# Altium PCB Battman.PcbDoc (part 3 of 5)
Units mm, origin at the board's own origin, x right, y up, seen from the top; angles counter-clockwise.
Board outline 110 x 68 mm, 6 copper layers (Top Layer, Mid Layer 1, Mid Layer 2, Mid Layer 3, Mid Layer 4, Bottom Layer), stack 1.235 mm thick; 358 components, 241 nets, 1126 pads, 1797 vias.
Unrouted connection lines stored in the file: 2.
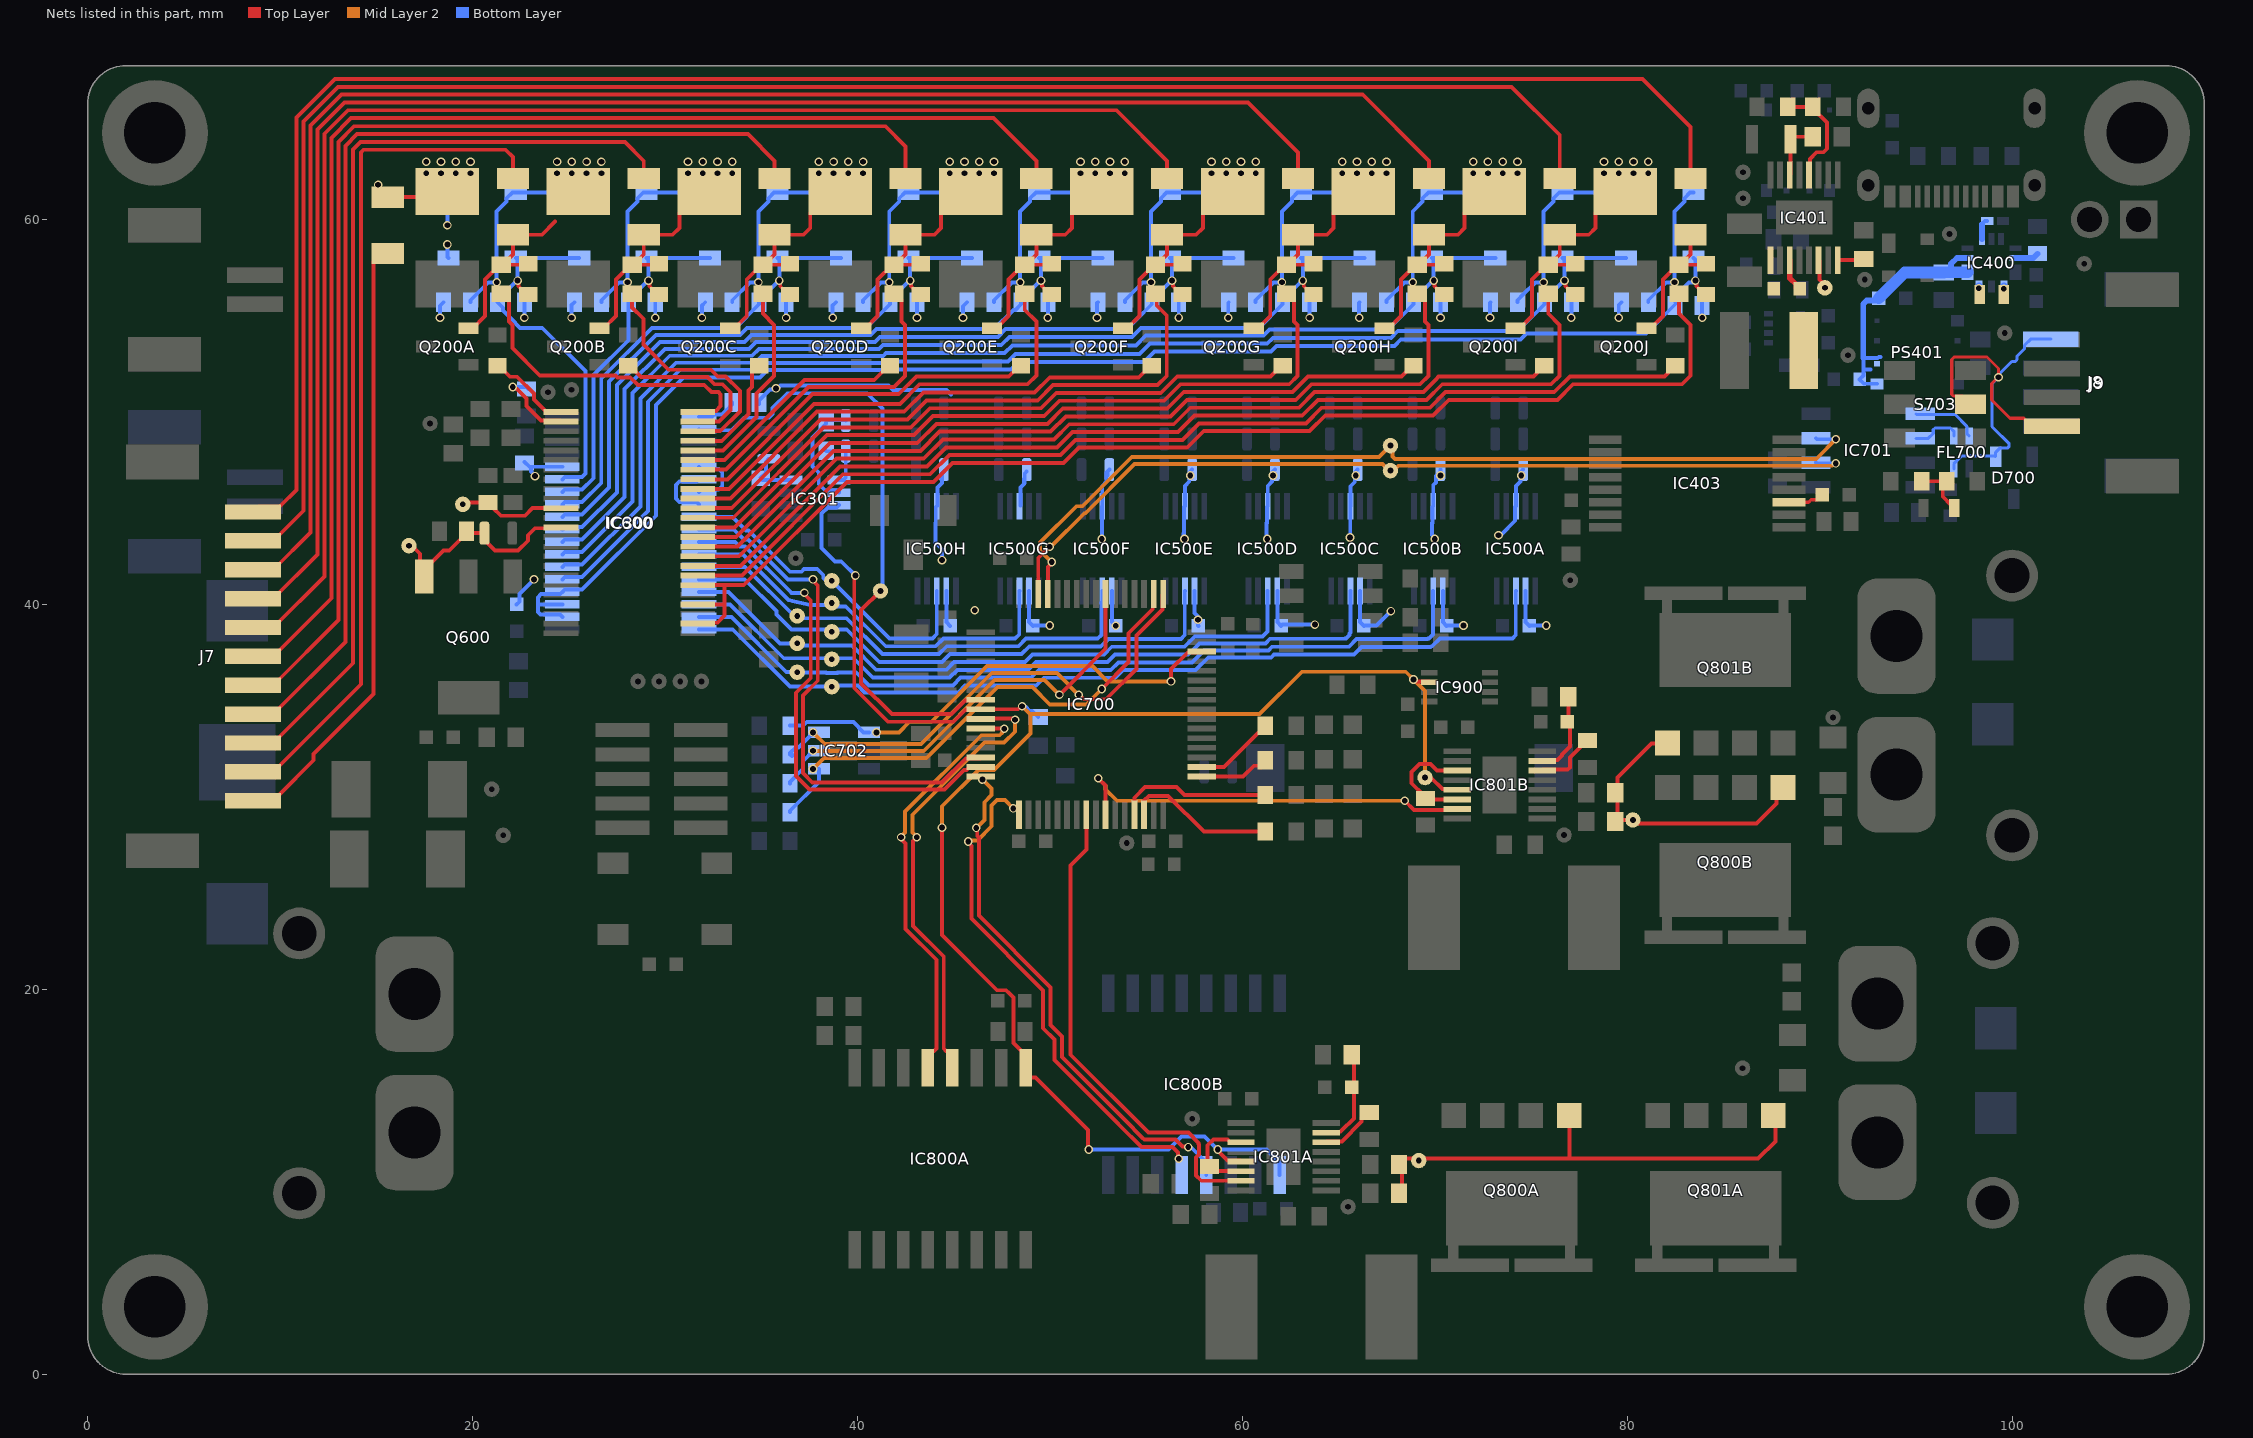
[diagram p7: the nets of this part, all layers, seen from the top]

## Via types
v1: diameter 0.45, hole 0.3, Top Layer to Bottom Layer, tented both sides, 1593 vias
v2: diameter 0.6, hole 0.3, Top Layer to Bottom Layer, tented both sides, 204 vias

## Nets (pads, with @x,y where several pads share a name; then routed paths per layer and width w, separated by ;. In a path a pad name is that pad's centre, name@x,y a point inside that pad or via, vN(x,y) a via of type N, cw(c..) or ccw(c..) an arc to the next point about the centre after c; other vN are vias at no path point) (continued)
CAN_P: D700.1 FL700.4 J8.1 J9.1 S703.5 | length 22.2
  Top Layer w0.16: S703.5@97.43,50.82 96.964,50.82 96.87,50.914 96.87,52.725 97,52.855 98.7,52.855 99.3,52.255 99.3,51.817 v1(99.3,51.8) ; v1@99.283,51.817 98.946,51.48 98.946,50.62 99.897,49.67 100.611,49.67 100.705,49.576 100.705,49.57 101.025,49.25 J9.1@102.075,49.25
  Bottom Layer w0.16: FL700.4@96.975,47.05 96.975,47.3 97.385,47.71 99.115,47.71 D700.1@99.15,47.675 99.15,47.9 99.37,48.12 99.755,48.12 99.848,48.214 99.848,48.346 99.016,49.179 98.962,49.233 98.962,51.462 v1(99.3,51.8) 99.3,51.933 99.989,52.623 100.169,52.623 100.263,52.716 100.263,52.896 100.646,53.279 100.646,53.463 100.966,53.783 J8.1@102.012,53.783
CAN_Tr_N: FL700.2 IC701.5 | length 3.5
  Bottom Layer w0.16: IC701.5@95.017,49.897 95.048,49.866 97.042,49.866 97.655,49.253 97.655,48.87 FL700.2@97.775,48.75
CAN_Tr_P: FL700.1 IC701.6 | length 2.6
  Bottom Layer w0.16: IC701.6@95.017,48.627 95.652,48.627 95.905,48.88 95.905,49.074 95.999,49.168 96.807,49.168 96.975,49 FL700.1@96.975,48.75
CANFD_RX: IC700.61 IC701.3 TP706.1 | length 48.6
  Top Layer w0.203: IC700.61@49.9,40.538 49.9,41.933 50.1,42.133 v1(50.1,42.2)
  Mid Layer 2 w0.203: v1(50.1,42.2) 50.091,42.2 49.498,42.792 49.498,43.208 51.389,45.099 51.708,45.099 54.259,47.65 67.1,47.65 TP706.1@67.7,48.25 67.814,48.136 67.814,47.683 67.933,47.564 89.827,47.564 v1@90.936,48.674
  Bottom Layer w0.203: IC701.3@89.813,48.635 89.869,48.579 v1(90.841,48.579)
CANFD_TX: IC700.62 IC701.2 TP705.1 | length 46.5
  Top Layer w0.203: IC700.62@49.4,40.538 49.4,42.4 v1(50,43)
  Mid Layer 2 w0.203: v1(50,43) 50.067,43 51.802,44.736 51.858,44.736 54.408,47.285 67.283,47.285 67.568,47 TP705.1@67.6,47 ; TP705.1@67.7,46.95 67.862,46.95 68.113,47.202 90.651,47.202 90.774,47.325 v1(90.841,47.325)
  Bottom Layer w0.203: IC701.2@89.813,47.365 89.853,47.325 v1(90.841,47.325)
Cell0: C200A.1 C200B.1 C200C.1 C200D.1 C200E.1 C200F.1 C200G.1 C200H.1 C200I.1 C200J.1 C201A.1 C201B.1 C201C.1 C201D.1 C201E.1 C201F.1 C201G.1 C201H.1 C201I.1 C201J.1 C300.2 C301.1 C302.2 C304.1 C500A.1 C500B.1 C500C.1 C500D.1 C500E.1 C500F.1 C500G.1 C500H.1 F100.2 IC300.14 IC500A.3 IC500A.7 IC500B.3 IC500B.7 IC500C.3 IC500C.7 IC500D.3 IC500D.7 IC500E.3 IC500E.7 IC500F.3 IC500F.7 IC500G.3 IC500G.7 IC500H.3 IC500H.7 IC600.26 JS502A.1 JS502B.1 JS502C.1 JS502D.1 JS502E.1 JS502F.1 JS502G.1 JS502H.1 R203A.1 Z200A.2 Z201A.2 | length 93.9
  Top Layer w0.203: F100.2@15.6,61.16 18.41,61.16 R203A.1@18.7,61.45 ; v1(22.1,51.3) 22.167,51.3 22.285,51.182 22.324,51.182 22.805,50.701 22.805,50.314 23.574,49.545 24.555,49.545 IC600.26@24.6,49.5
  Bottom Layer w0.203: v1(18.317,54.9) 18.317,55.517 C201A.1@18.5,55.7 ; v1(18.7,58.7) 18.7,58.05 Z200A.2@18.75,58 ; v1(18.7,59.7) 18.7,61.35 Z201A.2@18.75,61.4 ; v1(22.1,51.3) 22.8,51.3 C302.2@22.9,51.2 ; C304.1@22.3,40 22.436,40.136 22.436,40.536 v1(23.2,41.3) ; C300.2@22.7,47.4 22.712,47.4 22.962,47.15 C300.2@23.002,47.15 ; v1(22.7,54.9) C200A.1@22.7,55.7 ; v1(23.254,46.665) 23.254,46.695 23.041,46.908 23.041,47.112 C300.2@23.002,47.15 ; IC300.14@24.675,47.15 C300.2@23.002,47.15 ; v1@25.152,54.91 25.152,55.552 C201B.1@25.3,55.7 ; v1(29.5,54.9) C200B.1@29.5,55.7 ; v1@31.924,54.918 31.924,55.524 C201C.1@32.1,55.7 ; C301.1@34.9,50.405 34.9,50.605 35.47,51.175 35.73,51.175 v1(35.778,51.222) 35.844,51.222 36,51.378 41.61,51.378 41.843,51.145 44.628,51.145 44.862,50.912 ; v1(36.3,54.9) C200C.1@36.3,55.7 ; v1@38.72,54.891 38.72,55.52 C201D.1@38.9,55.7 ; v1(43.1,54.9) C200D.1@43.1,55.7 ; v1(44.4,42.3) 44.4,42.867 44.07,43.197 44.07,44.219 44.077,44.226 44.077,45.052 44.17,45.145 44.17,46.07 44.399,46.299 44.399,46.799 JS502H.1@44.5,46.9 ; IC500H.7@44.625,40.7 44.625,39.084 C500H.1@44.825,38.884 ; v1@45.49,54.905 45.49,55.49 C201E.1@45.7,55.7 ; IC500G.3@48.47,45.145 48.47,46.07 ; JS502G.1@48.8,46.9 48.699,46.799 JS502G.1@48.699,46.549 ; IC500G.7@48.925,40.7 48.925,39.084 C500G.1@49.125,38.884 49.141,38.9 v1(50,38.9) ; v1(49.9,54.9) C200E.1@49.9,55.7 ; v1@52.458,54.911 52.458,55.658 C201F.1@52.5,55.7 ; v1(52.7,43.4) 52.713,43.413 52.713,45.087 IC500F.3@52.725,45.1 52.725,46.162 52.949,46.386 52.949,46.849 JS502F.1@53.1,47 ; JS502F.1@52.999,46.701 JS502F.1@52.999,46.799 ; IC500F.7@53.225,40.7 53.225,39.084 v1(53.425,38.884) ; v1(56.7,54.902) C200F.1@56.7,55.7 ; 56.953,43.698 56.953,43.447 v1(57,43.4) 56.97,43.43 56.97,44.219 56.98,44.229 56.98,45.055 IC500E.3@57.025,45.1 57.025,46.162 57.249,46.386 57.249,46.849 JS502E.1@57.4,47 ; JS502E.1@57.299,46.701 JS502E.1@57.299,46.799 ; IC500E.7@57.525,40.7 57.525,39.548 57.725,39.348 C500E.1@57.725,39.2 ; v1(57.7,39.2) 57.7,38.909 C500E.1@57.725,38.884 ; v1(59.275,54.9) 59.275,55.675 C201G.1@59.3,55.7 ; v1(61.3,43.4) 61.27,43.43 61.27,44.219 61.28,44.229 61.28,45.055 IC500D.3@61.325,45.1 61.325,46.162 61.549,46.386 61.549,46.849 JS502D.1@61.7,47 ; JS502D.1@61.599,46.701 JS502D.1@61.599,46.799 ; IC500D.7@61.825,40.7 61.825,39.084 C500D.1@62.025,38.884 62.091,38.95 v1(63.775,38.95) ; v1(63.5,54.9) C200G.1@63.5,55.7 ; v1(65.6,43.475) 65.613,43.488 65.613,45.087 IC500C.3@65.625,45.1 65.625,46.139 65.849,46.363 65.849,46.849 JS502C.1@66,47 ; JS502C.1@65.899,46.701 JS502C.1@65.899,46.799 ; v1(66.075,54.9) 66.075,55.675 C201H.1@66.1,55.7 ; IC500C.7@66.125,40.7 66.125,39.084 C500C.1@66.325,38.884 66.341,38.9 66.975,38.9 v1(67.725,39.65) ; v1(70,43.4) 70,43.467 69.87,43.597 69.87,44.219 69.88,44.229 69.88,45.055 IC500B.3@69.925,45.1 69.925,46.194 70.069,46.338 70.069,46.678 70.096,46.705 70.153,46.705 70.3,46.851 JS502B.1@70.3,47 ; JS502B.1@70.3,46.701 JS502B.1@70.3,46.9 ; v1(70.3,54.9) C200H.1@70.3,55.7 ; IC500B.7@70.425,40.7 70.425,39.084 C500B.1@70.625,38.884 70.641,38.9 v1(71.5,38.9) ; v1(72.875,54.9) 72.875,55.675 C201I.1@72.9,55.7 ; v1(73.319,43.588) 73.367,43.635 73.466,43.635 74.177,44.345 74.177,45.052 IC500A.3@74.225,45.1 74.225,46.162 74.449,46.386 JS502A.1@74.449,46.701 ; JS502A.1@74.449,46.849 JS502A.1@74.6,47 ; JS502A.1@74.499,46.701 JS502A.1@74.499,46.799 ; IC500A.7@74.725,40.7 74.725,39.084 C500A.1@74.925,38.884 74.941,38.9 v1(75.8,38.9) ; v1(77.1,54.9) C200I.1@77.1,55.7 ; v1@79.567,54.891 79.567,55.567 C201J.1@79.7,55.7 ; v1(83.9,54.9) C200J.1@83.9,55.7 ; 48.47,46.07 48.666,46.266 48.666,46.516 JS502G.1@48.699,46.549 ; 48.47,46.07 48.699,46.299 JS502G.1@48.699,46.549
  other v1: 46.1,39.7 57.3,46.7 61.6,46.7 65.9,46.7 70.301,46.7 74.5,46.7 25.152,54.9 31.924,54.9 38.72,54.9 45.49,54.9 52.458,54.9 79.567,54.9 15.1,61.8 17.6,62.4 18.367,62.4 19.133,62.4 19.9,62.4 17.6,63 18.367,63 19.133,63 19.9,63
Cell1: F200A.1 J7.10 | length 44.3
  Top Layer w0.203: J7.10@8.6,31.3 9.65,31.3 14.2,35.85 14.2,63.476 14.349,63.625 21.717,63.625 22.1,63.242 F200A.1@22.1,62.125
Cell2: F200B.1 J7.9 | length 50.2
  Top Layer w0.203: J7.9@8.6,32.8 9.65,32.8 13.794,36.944 13.794,63.644 14.181,64.032 27.917,64.032 28.9,63.049 F200B.1@28.9,62.125
Cell3: F200C.1 J7.8 | length 56.2
  Top Layer w0.203: J7.8@8.6,34.3 9.65,34.3 13.394,38.044 13.394,63.819 14.013,64.438 34.311,64.438 35.7,63.049 F200C.1@35.7,62.125
Cell4: F200D.1 J7.7 | length 62.6
  Top Layer w0.203: J7.7@8.6,35.8 9.65,35.8 13.031,39.181 13.031,64.031 13.844,64.844 41.456,64.844 42.5,63.8 F200D.1@42.5,62.125
Cell5: F200E.1 J7.6 | length 68.1
  Top Layer w0.203: J7.6@8.6,37.3 9.65,37.3 12.668,40.318 12.668,64.242 13.693,65.268 47.081,65.268 49.3,63.049 F200E.1@49.3,62.125
Cell6: F200F.1 J7.5 | length 74.1
  Top Layer w0.203: J7.5@8.6,38.8 9.65,38.8 12.304,41.454 12.304,64.454 13.525,65.674 53.474,65.674 56.1,63.049 F200F.1@56.1,62.125
Cell7: F200G.1 J7.4 | length 80.3
  Top Layer w0.203: J7.4@8.6,40.3 9.65,40.3 11.941,42.591 11.941,64.665 13.357,66.081 60.3,66.081 62.9,63.481 62.9,63.049 62.9,62.587 F200G.1@62.9,62.125
Cell8: F200H.1 J7.3 | length 86.1
  Top Layer w0.203: J7.3@8.6,41.8 9.65,41.8 11.578,43.728 11.578,64.877 13.188,66.487 66.262,66.487 69.7,63.049 F200H.1@69.7,62.125
Cell9: F200I.1 J7.2 | length 92.8
  Top Layer w0.203: J7.2@8.6,43.3 9.65,43.3 11.215,44.865 11.215,65.088 13.02,66.894 74,66.894 76.5,64.394 F200I.1@76.5,62.125
Cell10: F200J.1 J7.1 | length 99.3
  Top Layer w0.203: J7.1@8.6,44.8 8.898,45.098 9.998,45.098 10.852,45.952 10.852,65.3 12.852,67.3 80.8,67.3 83.3,64.8 83.3,62.8 ; F200J.1@83.3,62.125 83.3,63.049
Current1: IC700.10 IC800A.12 | length 23.9
  Top Layer w0.203: v1(43.083,27.9) 42.888,27.705 42.888,23.297 44.492,21.693 44.492,16.917 44.61,16.799 44.712,16.799 44.935,16.575 IC800A.12@44.935,15.925 ; IC700.10@46.33,34.1 46.428,34.002 46.497,34.07 48.063,34.07 48.133,34 v1(48.2,34)
  Mid Layer 2 w0.203: v1(43.083,27.9) 43.083,27.93 42.871,28.142 42.871,29.07 46.617,32.817 47.625,32.817 48.192,33.383 48.192,33.992 v1(48.2,34)
Current2: IC700.16 IC800B.12 | length 27.2
  Top Layer w0.203: v1@46.232,28.349 46.232,27.96 46.313,27.879 46.313,23.828 50.038,20.103 50.038,18.135 50.628,17.545 50.628,16.48 53.904,13.204 54.825,12.282 54.923,12.185 56.536,12.185 56.889,11.832 57.168,11.832 v1(57.2,11.8)
  Mid Layer 2 w0.203: v1(46.185,28.385) 46.598,28.798 46.598,29.719 46.977,30.098 46.977,30.423 v1(46.5,30.9)
  Bottom Layer w0.203: v1(57.2,11.8) 57.247,11.753 57.377,11.753 58.13,11 IC800B.12@58.13,10.35
CurrRef1: IC700.11 IC800A.13 | length 22.5
  Top Layer w0.203: v1@42.275,27.815 42.275,27.803 42.505,27.573 42.505,23.138 44.109,21.535 44.109,16.917 43.99,16.799 43.888,16.799 43.665,16.575 IC800A.13@43.665,15.925 ; IC700.11@46.412,33.55 46.417,33.545 47.635,33.545 v1(47.64,33.541)
  Mid Layer 2 w0.203: v1(42.275,27.9) 42.275,27.93 42.488,28.142 42.488,29.229 46.458,33.2 47.4,33.2 47.519,33.319 47.519,33.353 47.64,33.474 v1(47.64,33.541)
CurrRef2: IC700.17 IC800B.13 | length 26
  Top Layer w0.203: v1(45.761,27.681) 45.761,27.614 45.93,27.446 45.93,23.669 49.655,19.944 49.655,17.977 50.245,17.387 50.245,16.321 53.521,13.045 53.633,12.933 54.764,11.802 56.378,11.802 56.668,11.511 56.668,11.232 v1(56.7,11.2)
  Mid Layer 2 w0.203: v1(45.761,27.681) 45.809,27.728 46.238,27.728 46.981,28.472 46.981,29.56 47.248,29.827 47.673,29.827 v1(48.1,29.4)
Enable1: IC700.24 IC801A.7 | length 25.6
  Top Layer w0.203: IC700.24@51.9,29.062 51.9,27.266 51.074,26.44 51.074,16.599 55.125,12.548 57.202,12.548 57.73,12.019 57.73,11.948 57.752,11.926 57.752,11.422 57.603,11.274 57.603,10.317 57.871,10.05 IC801A.7@59.938,10.05
Enable2: IC700.26 IC801B.7 | length 21.5
  Top Layer w0.203: v1(52.514,30.965) 52.9,30.579 IC700.26@52.9,29.062 ; v1(68.444,29.798) 68.922,29.319 71.114,29.319 IC801B.7@71.162,29.368
  Mid Layer 2 w0.203: v1(52.514,30.965) 52.9,30.579 52.9,30.39 53.492,29.798 v1(68.444,29.798)
F\a\u\l\t\: IC301.7 IC700.9 IC800A.9 IC800B.9 IC801A.5 IC801B.5 IC900.6 R900.2 TP312.1 | length 93.1
  Top Layer w0.203: v1(39.9,41.5) 39.838,41.438 39.838,35.662 41.6,33.9 45.004,33.9 45.606,34.502 46.364,34.502 IC700.9@46.412,34.55 48.341,34.55 48.497,34.706 v1(48.564,34.706) ; v1(44.4,28.4) 44.4,22.812 47.26,19.952 47.734,19.952 47.852,19.834 48.108,19.577 48.108,17.212 48.745,16.575 IC800A.9@48.745,15.925 48.745,15.638 48.968,15.414 49.256,15.414 51.984,12.686 51.984,11.722 v1(52.031,11.675) ; v1(58.725,11.675) 58.725,11.615 59.242,11.098 59.89,11.098 IC801A.5@59.938,11.05 ; v1(68.9,36.1) 68.934,36.1 69.035,35.998 69.677,35.998 IC900.6@69.725,35.95 ; TP312.1@69.5,31 69.533,30.967 69.845,30.967 70.396,30.416 71.114,30.416 IC801B.5@71.162,30.368
  Mid Layer 2 w0.203: v1(44.4,28.4) 44.4,29.509 46.292,31.402 47.102,31.402 49,33.3 49,34.203 ; v1(48.564,34.706) 48.969,34.3 60.9,34.3 63.102,36.502 68.499,36.502 v1(68.9,36.1) 69.5,35.5 TP312.1@69.5,31
  Bottom Layer w0.203: IC301.7@39.05,45.16 38.927,45.036 38.466,45.036 38.148,44.718 38.148,42.92 38.835,42.234 39.166,42.234 v1(39.9,41.5) ; v1(48.564,34.706) 48.611,34.659 48.755,34.659 48.94,34.473 49.077,34.473 R900.2@49.4,34.15 ; v1(52.031,11.675) 56.17,11.675 56.855,12.36 58.04,12.36 v1(58.725,11.675) 61.265,11.675 61.94,11 IC800B.9@61.94,10.35
GateA: Q800A.1 Q801A.1 R803A.2 R804A.2 TP801A.1 | length 25.1
  Top Layer w0.203: R803A.2@68.15,10.9 68.45,11.2 69.175,11.2 77,11.2 ; R804A.2@68.3,9.5 R803A.2@68.3,10.944 ; Q800A.1@77,13.445 77,11.2 ; Q801A.1@87.6,13.445 87.7,13.345 87.7,12.1 86.8,11.2 77,11.2
GateB: Q800B.1 Q801B.1 R803B.2 R804B.2 TP801B.1 | length 15.4
  Top Layer w0.203: R804B.2@79.374,28.718 79.5,28.843 79.5,31 81.274,32.774 Q801B.1@82.199,32.774 ; R803B.2@79.374,30.218 79.524,30.218 R803B.2@79.524,30.262 ; R804B.2@79.524,28.818 79.542,28.8 TP801B.1@80.3,28.8 ; TP801B.1@80.4,28.7 80.482,28.618 86.724,28.618 87.766,29.659 Q800B.1@87.766,30.434
JDTO: IC700.55 IC702.5 R714.2 | length 23.1
  Top Layer w0.203: v1(50.5,35.3) 52.895,37.695 52.895,40.533 IC700.55@52.9,40.538
  Mid Layer 2 w0.203: v1(37.7,32.4) 37.718,32.382 43.453,32.382 47.135,36.064 49.736,36.064 v1(50.5,35.3)
  Bottom Layer w0.203: R714.2@36.5,30.7 36.5,30.775 37.163,31.437 37.163,31.838 IC702.5@37.725,32.4
JTCK: IC700.49 IC702.6 R713.2 | length 26.1
  Top Layer w0.203: v1(51.5,35.3) 51.545,35.3 51.774,35.07 52.919,35.07 54.5,36.651 54.5,38.387 55.852,39.738 55.852,40.49 IC700.49@55.9,40.538
  Mid Layer 2 w0.203: v1(37.7,33.35) 38.305,32.745 43.302,32.745 46.985,36.427 50.373,36.427 v1(51.5,35.3)
  Bottom Layer w0.203: R713.2@36.5,32.2 36.5,32.275 36.799,32.574 36.948,32.574 37.7,33.325 v1(37.7,33.35) ; R713.2@36.6,32.125 R713.2@36.6,32.2
JTDI: IC700.50 IC702.4 R715.2 | length 26.4
  Top Layer w0.203: v1(52.7,35.6) 54.1,37 54.1,38.5 55.352,39.752 55.352,40.49 IC700.50@55.4,40.538
  Mid Layer 2 w0.203: v1(37.7,31.45) 38.269,32.019 43.603,32.019 47.286,35.702 49.099,35.702 50,34.8 50.291,34.8 50.292,34.799 50.708,34.799 50.709,34.8 51.291,34.8 51.292,34.799 51.708,34.799 51.709,34.8 51.9,34.8 v1@52.69,35.59
  Bottom Layer w0.203: R715.2@36.5,29.2 36.5,29.275 38,30.775 IC702.4@38,31.45
JTMS: IC700.46 IC702.1 R712.2 | length 24
  Top Layer w0.203: v1(56.3,36) 56.3,36.634 57.167,37.502 57.84,37.502 IC700.46@57.888,37.55
  Mid Layer 2 w0.203: v1(41,33.35) 42.155,33.35 42.705,33.9 43.85,33.9 46.74,36.79 52.219,36.79 53.009,36 v1(56.3,36)
  Bottom Layer w0.203: R712.2@36.5,33.7 37.19,33.7 37.37,33.88 39.795,33.88 40.325,33.35 IC702.1@40.6,33.35
LED_A: IC700.29 R702.2 | length 8.1
  Top Layer w0.203: IC700.29@54.4,29.062 54.4,29.954 54.956,30.51 56.59,30.51 57,30.1 R702.2@61.2,30.1
LED_G: IC700.34 R700.2 | length 4.2
  Top Layer w0.203: IC700.34@57.888,31.55 59.05,31.55 60.827,33.327 60.901,33.327 61.03,33.455 R700.2@61.03,33.53
  Top Layer w0.3: R700.2@61.03,33.53 R700.2@61.2,33.7
LED_R: IC700.30 R703.2 | length 7.9
  Top Layer w0.203: IC700.30@54.9,29.062 54.9,29.803 55.147,30.05 56.154,30.05 58.003,28.2 R703.2@61.2,28.2
LED_Y: IC700.33 R701.2 | length 4.1
  Top Layer w0.203: IC700.33@57.888,31.05 60.05,31.05 60.614,31.614 60.914,31.614 R701.2@61.2,31.9
  Top Layer w0.3: R701.2@60.95,31.575 61.2,31.825 R701.2@61.2,31.9
LTC_H_C1: C200A.2 IC300.13 R200A.2 Z200A.1 Z200B.2 | length 19.9
  Top Layer w0.203: v1(22.348,56.825) 22.395,56.778 22.395,56.53 22.825,56.1 R200A.2@22.9,56.1
  Bottom Layer w0.203: v1@22.285,56.86 22.348,56.923 22.348,57.902 Z200A.1@22.25,58 Z200B.2@25.55,58 ; v1(22.348,56.825) 22.32,56.825 21.3,55.805 C200A.2@21.3,55.7 21.588,55.412 21.588,55.262 22.005,54.846 22.481,54.37 23.63,54.37 25.88,52.12 25.88,46.799 25.701,46.62 24.795,46.62 IC300.13@24.675,46.5
LTC_H_C2: C200B.2 IC300.12 R200B.2 Z200B.1 Z200C.2 | length 18.9
  Top Layer w0.203: v1(29.148,56.825) 29.195,56.778 29.195,56.53 29.625,56.1 R200B.2@29.7,56.1
  Bottom Layer w0.203: IC300.12@24.675,45.85 24.795,45.97 25.701,45.97 26.286,46.555 26.286,51.91 28.1,53.724 28.1,55.805 29.12,56.825 v1(29.148,56.825) ; v1@29.085,56.86 29.148,56.923 29.148,57.902 Z200B.1@29.05,58 29.148,58 Z200C.2@32.35,58
LTC_H_C3: C200C.2 IC300.11 R200C.2 Z200C.1 Z200D.2 | length 24.8
  Top Layer w0.203: v1(35.947,56.825) 35.995,56.778 35.995,56.53 36.425,56.1 R200C.2@36.5,56.1
  Bottom Layer w0.203: IC300.11@24.675,45.2 24.795,45.32 25.701,45.32 26.693,46.312 26.693,51.742 29.321,54.37 33.675,54.37 34.9,55.595 C200C.2@34.9,55.7 ; C200C.2@34.9,55.805 35.92,56.825 v1(35.947,56.825) ; v1@35.85,56.825 35.947,56.923 35.947,57.902 Z200C.1@35.85,58 Z200D.2@39.15,58
LTC_H_C4: C200D.2 IC300.10 R200D.2 Z200D.1 Z200E.2 | length 32
  Top Layer w0.203: v1(42.748,56.825) 42.795,56.778 42.795,56.53 43.225,56.1 R200D.2@43.3,56.1
  Bottom Layer w0.203: IC300.10@24.675,44.55 24.795,44.67 25.701,44.67 27.099,46.068 27.099,51.574 29.532,54.007 33.907,54.007 34.26,54.36 40.465,54.36 41.7,55.595 C200D.2@41.7,55.7 41.7,55.805 42.72,56.825 v1(42.748,56.825) ; v1@42.685,56.86 42.748,56.923 42.748,57.902 Z200D.1@42.65,58 42.748,58 Z200E.2@45.95,58
LTC_H_C5: C200E.2 IC300.9 R200E.2 Z200E.1 Z200F.2 | length 39.1
  Top Layer w0.203: v1(49.548,56.825) 49.595,56.778 49.595,56.53 50.025,56.1 R200E.2@50.1,56.1
  Bottom Layer w0.203: IC300.9@24.675,43.9 24.795,44.02 25.701,44.02 27.505,45.824 27.505,51.405 29.744,53.644 34.144,53.644 34.497,53.997 40.692,53.997 41.001,54.306 47.106,54.306 48.107,55.307 48.212,55.307 48.5,55.595 48.5,55.805 49.52,56.825 v1(49.548,56.825) ; v1@49.485,56.86 49.548,56.923 49.548,57.902 Z200E.1@49.45,58 Z200F.2@52.75,58
LTC_H_C6: C200F.2 IC300.8 R200F.2 Z200F.1 Z200G.2 | length 46.2
  Top Layer w0.203: v1(56.347,56.825) 56.395,56.778 56.395,56.53 56.825,56.1 R200F.2@56.9,56.1
  Bottom Layer w0.203: IC300.8@24.675,43.25 24.795,43.37 25.701,43.37 27.912,45.581 27.912,51.187 30.005,53.281 34.374,53.281 34.727,53.634 40.914,53.634 41.18,53.9 47.3,53.9 47.706,54.306 54.011,54.306 54.511,54.806 55.3,55.595 55.3,55.805 56.32,56.825 v1(56.347,56.825) ; v1@56.285,56.86 56.347,56.923 56.347,57.902 Z200F.1@56.25,58 56.347,58 Z200G.2@59.55,58
LTC_H_C7: C200G.2 IC300.7 R200G.2 Z200G.1 Z200H.2 | length 53.3
  Top Layer w0.203: v1(63.148,56.825) 63.195,56.778 63.195,56.53 63.625,56.1 R200G.2@63.7,56.1
  Bottom Layer w0.203: IC300.7@24.675,42.6 24.795,42.72 25.701,42.72 28.318,45.337 28.318,50.983 30.253,52.917 34.536,52.917 34.889,53.271 41.129,53.271 41.338,53.479 47.479,53.479 47.9,53.9 54.271,53.9 54.741,54.37 60.875,54.37 62.1,55.595 C200G.2@62.1,55.7 62.1,55.805 63.12,56.825 v1(63.148,56.825) ; v1@63.085,56.86 63.148,56.923 63.148,57.902 Z200G.1@63.05,58 63.148,58 Z200H.2@66.35,58
LTC_H_C8: C200H.2 IC300.6 R200H.2 Z200H.1 Z200I.2 | length 60.3
  Top Layer w0.203: v1(69.948,56.825) 69.995,56.778 69.995,56.53 70.425,56.1 R200H.2@70.5,56.1
  Bottom Layer w0.203: IC300.6@24.675,41.95 24.795,42.07 25.701,42.07 28.725,45.094 28.725,50.699 30.579,52.554 34.686,52.554 35.039,52.908 41.348,52.908 41.496,53.055 47.653,53.055 48.055,53.456 54.478,53.456 54.986,53.965 61.097,53.965 61.411,54.279 67.584,54.279 68.9,55.595 C200H.2@68.9,55.7 68.9,55.805 69.92,56.825 v1(69.948,56.825) ; v1@69.885,56.86 69.948,56.923 69.948,57.902 Z200H.1@69.85,58 Z200I.2@73.15,58
LTC_H_C9: C200I.2 IC300.5 R200I.2 Z200I.1 Z200J.2 | length 67.5
  Top Layer w0.203: v1(76.747,56.825) 76.795,56.778 76.795,56.53 77.225,56.1 R200I.2@77.3,56.1
  Bottom Layer w0.203: IC300.5@24.675,41.3 24.795,41.42 25.701,41.42 29.131,44.85 29.131,50.531 30.791,52.191 34.836,52.191 35.19,52.544 41.583,52.544 41.666,52.627 47.828,52.627 48.215,53.014 54.67,53.014 55.214,53.557 61.299,53.557 61.59,53.849 67.729,53.849 68.081,54.2 74.305,54.2 75.7,55.595 C200I.2@75.7,55.7 75.7,55.805 76.72,56.825 v1(76.747,56.825) ; v1@76.685,56.86 76.747,56.923 76.747,57.902 Z200I.1@76.65,58 Z200J.2@79.95,58
LTC_H_C10: C200J.2 IC300.2 IC300.3 IC300.4 R200J.2 Z200J.1 | length 76
  Top Layer w0.203: v1(83.548,56.825) 83.595,56.778 83.595,56.53 84.025,56.1 R200J.2@84.1,56.1
  Bottom Layer w0.203: IC300.4@24.606,40.581 24.555,40.53 23.572,40.53 23.4,40.358 23.4,40.09 ; IC300.2@24.675,39.35 24.555,39.47 23.53,39.47 23.4,39.6 23.4,40 23.4,40.09 ; IC300.3@24.675,40 23.49,40 23.4,40.09 ; IC300.4@24.675,40.65 24.795,40.77 25.701,40.77 29.537,44.606 29.537,50.363 30.959,51.784 34.944,51.784 35.34,52.181 41.838,52.181 41.859,52.202 47.99,52.202 48.377,52.588 54.884,52.588 55.446,53.151 61.502,53.151 61.779,53.428 67.904,53.428 68.24,53.764 74.456,53.764 74.767,54.075 80.98,54.075 C200J.2@82.5,55.595 ; C200J.2@82.5,55.7 82.57,55.7 82.788,55.918 82.788,56.017 82.808,56.037 82.808,56.311 83.219,56.722 83.377,56.722 83.481,56.825 v1(83.548,56.825) ; Z200J.1@83.45,58 83.548,57.902 v1@83.548,56.923
LTC_S_C1: C201A.2 IC600.24 R201A.2 Z201A.1 Z201B.2 | length 27.2
  Top Layer w0.203: R201A.2@21.5,56.15 21.575,56.15 21.898,55.827 21.898,54.708 22.08,54.526 22.08,53.32 23.5,51.9 27.44,51.9 27.541,51.798 28.202,51.798 28.6,51.4 32.044,51.4 32.412,51.032 32.781,51.032 32.9,50.913 32.9,50.3 32.648,50.048 31.748,50.048 IC600.24@31.7,50
  Bottom Layer w0.203: C201A.2@19.9,55.7 19.9,55.805 20.822,56.727 21.251,56.727 v1(21.261,56.736) 21.261,60.411 21.777,60.927 21.777,61.102 22.075,61.4 Z201A.1@22.25,61.4 Z201B.2@25.55,61.4
LTC_S_C2: C201B.2 IC600.22 R201B.2 Z201B.1 Z201C.2 | length 22.9
  Top Layer w0.203: R201B.2@28.3,56.15 28.3,55.42 28.88,54.84 28.88,53.495 30.184,52.191 32.403,52.191 32.749,51.845 33.155,51.845 33.9,51.1 33.9,50.021 32.879,49 IC600.22@31.7,49
  Bottom Layer w0.203: C201B.2@26.7,55.7 26.7,55.805 27.631,56.736 v1(28.061,56.736) 28.061,60.411 28.577,60.927 28.577,61.102 28.875,61.4 Z201B.1@29.05,61.4 Z201C.2@32.35,61.4
LTC_S_C3: C201C.2 IC600.20 R201C.2 Z201C.1 Z201D.2 | length 21.1
  Top Layer w0.203: IC600.20@31.7,48 33.028,48 34.755,49.727 34.755,50.949 35.68,51.874 35.68,54.526 35.1,55.106 R201C.2@35.1,56.15
  Bottom Layer w0.203: C201C.2@33.5,55.7 33.5,55.805 34.431,56.736 v1(34.861,56.736) 34.861,60.411 35.377,60.927 35.377,61.102 35.675,61.4 Z201C.1@35.85,61.4 Z201D.2@39.15,61.4
LTC_S_C4: C201D.2 IC600.18 R201D.2 Z201D.1 Z201E.2 | length 27.7
  Top Layer w0.203: IC600.18@31.7,47 33.178,47 37.469,51.292 41.898,51.292 42.48,51.874 42.48,54.526 42.298,54.708 42.298,55.827 41.975,56.15 R201D.2@41.9,56.15
  Bottom Layer w0.203: C201D.2@40.3,55.7 40.3,55.805 41.231,56.736 v1(41.661,56.736) 41.661,60.411 42.177,60.927 42.177,61.102 42.475,61.4 Z201D.1@42.65,61.4 Z201E.2@45.95,61.4
LTC_S_C5: C201E.2 IC600.16 R201E.2 Z201E.1 Z201F.2 | length 34.9
  Top Layer w0.203: IC600.16@31.7,46 33.327,46 37.747,50.419 42.219,50.419 43.239,51.439 48.845,51.439 49.3,51.894 49.3,54.7 48.7,55.3 R201E.2@48.7,56.15
  Bottom Layer w0.203: C201E.2@47.1,55.7 47.1,55.805 48.031,56.736 v1(48.461,56.736) 48.461,60.411 48.977,60.927 48.977,61.102 49.275,61.4 Z201E.1@49.45,61.4 Z201F.2@52.75,61.4
LTC_S_C6: C201F.2 IC600.14 R201F.2 Z201F.1 Z201G.2 | length 42.1
  Top Layer w0.203: IC600.14@31.7,45 33.477,45 38.083,49.606 42.606,49.606 43.6,50.6 49.375,50.6 50.168,51.394 55.6,51.394 56.08,51.874 56.08,55.02 55.561,55.539 55.561,56.089 R201F.2@55.5,56.15
  Bottom Layer w0.203: C201F.2@53.9,55.7 53.9,55.805 54.831,56.736 v1(55.261,56.736) 55.261,60.411 55.777,60.927 55.777,61.102 56.075,61.4 Z201F.1@56.25,61.4 Z201G.2@59.55,61.4
LTC_S_C7: C201G.2 IC600.12 R201G.2 Z201G.1 Z201H.2 | length 49.3
  Top Layer w0.203: IC600.12@31.7,44 33.626,44 38.42,48.794 42.944,48.794 43.938,49.787 49.711,49.787 50.505,50.581 55.936,50.581 56.794,51.438 62.444,51.438 62.88,51.874 62.88,54.526 62.698,54.708 62.698,55.827 62.375,56.15 R201G.2@62.3,56.15
  Bottom Layer w0.203: C201G.2@60.7,55.7 60.7,55.805 61.631,56.736 v1(62.061,56.736) 62.061,60.411 62.577,60.927 62.577,61.102 62.875,61.4 Z201G.1@63.05,61.4 Z201H.2@66.35,61.4
LTC_S_C8: C201H.2 IC600.10 R201H.2 Z201H.1 Z201I.2 | length 56.5
  Top Layer w0.203: IC600.10@31.7,43 33.776,43 38.757,47.981 43.281,47.981 44.274,48.974 50.048,48.974 50.842,49.768 56.273,49.768 57.131,50.626 62.781,50.626 63.594,51.439 69.245,51.439 69.68,51.874 69.68,54.526 69.498,54.708 69.498,55.827 69.175,56.15 R201H.2@69.1,56.15
  Bottom Layer w0.203: C201H.2@67.5,55.7 67.5,55.805 68.431,56.736 v1(68.861,56.736) 68.861,60.411 69.377,60.927 69.377,61.102 69.675,61.4 Z201I.2@73.15,61.4
LTC_S_C9: C201I.2 IC600.8 R201I.2 Z201I.1 Z201J.2 | length 63.7
  Top Layer w0.203: IC600.8@31.7,42 33.925,42 39.093,47.168 43.619,47.168 44.612,48.162 50.385,48.162 51.178,48.955 56.655,48.955 57.513,49.813 63.118,49.813 63.931,50.626 69.582,50.626 70.394,51.439 76.045,51.439 76.48,51.874 76.48,52.58 76.486,52.586 76.486,54.52 75.9,55.106 R201I.2@75.9,56.15
  Bottom Layer w0.203: C201I.2@74.3,55.7 74.3,55.805 74.588,56.093 75.231,56.736 v1(75.661,56.736) 75.661,60.411 76.177,60.927 76.177,61.102 76.475,61.4 Z201I.1@76.65,61.4 Z201J.2@79.95,61.4
LTC_S_C10: C201J.2 IC600.2 IC600.4 IC600.6 R201J.2 Z201J.1 | length 72.2
  Top Layer w0.203: IC600.2@31.7,39 31.745,39.045 32.726,39.045 33.1,39.419 33.1,40 ; IC600.4@31.7,40 33.1,40 ; IC600.6@31.7,41 33.1,41 ; R201J.2@82.7,56.15 82.7,55.106 83.286,54.52 83.286,51.88 82.845,51.439 77.194,51.439 76.382,50.626 70.731,50.626 69.918,49.813 64.313,49.813 63.5,49 58,49 57.142,48.142 51.515,48.142 50.721,47.349 44.949,47.349 43.955,46.355 39.455,46.355 34.1,41 33.1,41 ; 33.1,40 33.1,41
  Bottom Layer w0.203: C201J.2@81.1,55.7 81.1,55.805 82.031,56.736 v1(82.461,56.736) 82.461,60.411 82.977,60.927 82.977,61.102 83.275,61.4 Z201J.1@83.45,61.4
LTC_S_S1: IC600.25 R202A.2 | length 4.5
  Top Layer w0.203: R202A.2@21.3,52.4 21.375,52.4 21.945,51.83 22.319,51.83 23.195,50.954 23.195,50.655 23.802,50.048 24.552,50.048 IC600.25@24.6,50
LTC_S_S2: IC600.23 R202B.2 | length 8.7
  Top Layer w0.203: R202B.2@28.1,52.4 28.175,52.4 28.473,52.102 28.769,51.806 32.213,51.806 32.58,51.439 32.986,51.439 33.4,51.025 33.4,50.096 32.804,49.5 IC600.23@31.7,49.5
LTC_S_S3: IC600.21 R202C.2 | length 6
  Top Layer w0.203: IC600.21@31.7,48.5 32.954,48.5 34.349,49.895 34.349,51.117 34.527,51.295 34.527,52.102 34.825,52.4 R202C.2@34.9,52.4
LTC_S_S4: IC600.19 R202D.2 | length 12
  Top Layer w0.203: IC600.19@31.7,47.5 33.103,47.5 37.258,51.655 40.88,51.655 41.625,52.4 R202D.2@41.7,52.4
LTC_S_S5: IC600.17 R202E.2 | length 19.2
  Top Layer w0.203: IC600.17@31.7,46.5 33.253,46.5 37.681,50.928 42.154,50.928 43.07,51.845 47.87,51.845 48.425,52.4 R202E.2@48.5,52.4
LTC_S_S6: IC600.15 R202F.2 | length 26.5
  Top Layer w0.203: IC600.15@31.7,45.5 33.402,45.5 37.915,50.013 42.438,50.013 43.432,51.006 49.206,51.006 50,51.8 54.625,51.8 55.225,52.4 R202F.2@55.3,52.4
LTC_S_S7: IC600.13 R202G.2 | length 33.7
  Top Layer w0.203: IC600.13@31.7,44.5 33.552,44.5 38.252,49.2 42.776,49.2 43.769,50.194 49.543,50.194 50.337,50.987 55.768,50.987 56.626,51.845 61.47,51.845 62.025,52.4 R202G.2@62.1,52.4
LTC_S_S8: IC600.11 R202H.2 | length 40.9
  Top Layer w0.203: IC600.11@31.7,43.5 33.701,43.5 38.588,48.387 43.112,48.387 44.106,49.381 49.88,49.381 50.673,50.174 56.105,50.174 56.962,51.032 62.613,51.032 63.426,51.845 68.27,51.845 68.825,52.4 R202H.2@68.9,52.4
LTC_S_S9: IC600.9 R202I.2 | length 48.2
  Top Layer w0.203: IC600.9@31.7,42.5 33.851,42.5 38.925,47.574 43.45,47.574 44.444,48.568 50.216,48.568 51.01,49.362 56.441,49.362 57.299,50.219 62.949,50.219 63.763,51.032 69.413,51.032 70.086,51.705 70.086,51.726 70.205,51.845 75.145,51.845 75.327,52.027 75.327,52.102 75.625,52.4 R202I.2@75.7,52.4
LTC_S_S10: IC600.7 R202J.2 | length 55.4
  Top Layer w0.203: IC600.7@31.7,41.5 34,41.5 39.262,46.762 43.787,46.762 44.78,47.755 50.553,47.755 51.347,48.549 56.898,48.549 57.755,49.406 63.306,49.406 64.12,50.22 69.75,50.22 70.563,51.032 76.213,51.032 77.026,51.845 81.945,51.845 82.127,52.027 82.127,52.102 82.425,52.4 R202J.2@82.5,52.4
Mult1: IC300.36 IC500A.8 TP309.1 | length 47.3
  Bottom Layer w0.203: IC300.36@31.775,38.7 33.527,38.7 36.502,35.725 TP309.1@38.675,35.725 ; TP309.1@38.675,35.775 40.025,35.775 40.37,35.43 45.243,35.43 45.6,35.787 48.152,35.787 48.154,35.786 49.299,35.786 49.7,36.187 53.406,36.187 53.8,36.581 57.57,36.581 58.233,37.243 61.51,37.243 61.66,37.394 65.8,37.394 66.2,37.794 69.794,37.794 69.823,37.823 69.87,37.823 70.276,38.23 74.042,38.23 74.213,38.4 74.213,40.687 IC500A.8@74.225,40.7
Mult2: IC300.35 IC500B.8 TP308.1 | length 43
  Bottom Layer w0.203: IC300.35@31.775,39.35 33.451,39.35 36.305,36.496 36.834,36.496 36.875,36.455 38.373,36.455 38.383,36.445 38.967,36.445 38.977,36.455 39.945,36.455 40.607,35.793 44.968,35.793 45.368,36.194 49.037,36.194 49.038,36.192 49.439,36.594 53.168,36.594 53.562,36.987 57.387,36.987 58.006,37.606 61.359,37.606 61.553,37.8 65.546,37.8 65.946,38.2 69.625,38.2 69.655,38.23 69.701,38.23 69.913,38.441 69.913,40.687 IC500B.8@69.925,40.7
Mult3: IC300.34 IC500C.8 TP307.1 | length 38.6
  Bottom Layer w0.203: IC300.34@31.775,40 33.376,40 36.176,37.2 39.801,37.2 40.803,36.198 44.798,36.198 45.2,36.6 48.871,36.6 49.271,37 53,37 53.394,37.394 57.194,37.394 57.77,37.97 61.209,37.97 61.452,38.213 65.313,38.213 65.33,38.23 65.401,38.23 65.58,38.408 65.58,38.48 65.625,38.525 IC500C.8@65.625,40.7
Mult4: IC300.33 IC500D.8 TP306.1 | length 34.2
  Bottom Layer w0.203: IC300.33@31.775,40.65 33.301,40.65 35.976,37.975 TP306.1@36.875,37.975 36.989,37.861 37.291,37.861 37.292,37.859 39.717,37.859 40.972,36.604 44.629,36.604 45.032,37.006 48.702,37.006 49.102,37.406 52.828,37.406 53.221,37.8 57,37.8 57.533,38.333 61.059,38.333 61.313,38.587 61.313,40.687 IC500D.8@61.325,40.7
Mult5: IC300.32 IC500E.8 TP305.1 | length 30
  Bottom Layer w0.203: IC300.32@31.775,41.3 34.149,41.3 35.801,39.648 35.801,39.477 36.583,38.695 37.167,38.695 37.172,38.7 38.5,38.7 39.451,38.7 41.14,37.01 44.41,37.01 44.817,37.417 48.538,37.417 48.934,37.813 52.638,37.813 52.648,37.823 52.67,37.823 53.053,38.206 56.815,38.206 57.012,38.404 57.012,40.687 IC500E.8@57.025,40.7
Mult6: IC300.31 IC500F.8 TP304.1 | length 25.5
  Bottom Layer w0.203: IC300.31@31.775,41.95 34.163,41.95 36.756,39.357 36.943,39.357 37.022,39.278 38.381,39.278 38.383,39.28 38.967,39.28 38.969,39.278 39.448,39.278 41.308,37.417 44.238,37.417 44.644,37.823 48.37,37.823 48.766,38.219 52.491,38.219 52.68,38.408 52.68,39.361 52.68,40.102 52.725,40.147 IC500F.8@52.725,40.7
Mult7: IC300.30 IC500G.8 TP303.1 | length 20.9
  Bottom Layer w0.203: IC300.30@31.775,42.6 34.062,42.6 36.426,40.237 36.62,40.176 37.574,39.97 37.583,39.97 TP303.1@38.399,39.97 ; TP303.1@38.5,39.9 39.4,39.9 41.477,37.823 44.07,37.823 44.476,38.23 48.201,38.23 48.413,38.441 48.413,40.687 IC500G.8@48.425,40.7
Mult8: IC300.27 IC500H.8 TP302.1 | length 17.4
  Bottom Layer w0.203: IC300.27@31.775,44.55 33.504,44.55 34.205,43.848 34.355,43.848 36.508,41.695 37.092,41.695 37.226,41.829 37.48,41.829 37.919,41.83 38.23,41.519 38.23,41.37 TP302.1@38.5,41.1 ; TP302.1@38.6,41.2 38.75,41.05 38.85,41.05 41.67,38.23 43.901,38.23 44.125,38.453 IC500H.8@44.125,40.7
NetC301_2: C301.2 IC300.19 | length 2.9
  Bottom Layer w0.203: IC300.19@32.573,49.873 32.45,49.75 IC300.19@31.775,49.75 31.898,49.873 32.978,49.873 33.5,50.395 C301.2@33.5,50.5
NetC402_1: C402.1 IC401.11 | length 1.6
  Top Layer w0.28: IC401.11@88.45,57.888 88.457,57.881 88.457,56.943 88.79,56.61 88.79,56.464 C402.1@88.8,56.454
NetC402_2: C402.2 IC401.9 L400.1 | length 0.2
  Top Layer w0.28: C402.2@87.45,56.575 C402.2@87.625,56.4
NetC404_2: C404.2 IC401.6 R404.1 | length 3.1
  Top Layer w0.203: IC401.6@88.45,62.312 88.495,62.357 88.495,63.151 88.5,63.155 C404.2@88.5,64.175 88.625,64.3 R404.1@89.65,64.3
NetC409_2: C409.2 IC403.3 | length 1.9
  Top Layer w0.163: IC403.3@88.416,45.31 89.429,45.31 89.555,45.437 89.887,45.437 C409.2@90.15,45.7
NetC415_2: C415.2 C416.1 C421.2 IC400.11 IC400.13 PS401.4_5 PS401.6 | length 14
  Bottom Layer w0.2: C415.2@92.075,51.688 92.3,51.463 PS401.6@92.987,51.463 ; C415.2@92.075,51.7 92.275,51.9 92.275,52.1 ; 92.65,52.2 92.375,52.2 92.275,52.1 ; 93.165,52.853 93.078,52.853 93.025,52.8 92.275,52.8 92.275,52.1
  Bottom Layer w0.3: 92.275,52.8 92.275,55.612 92.451,55.788 92.963,55.788 C416.1@93.075,55.9 ; C421.2@96.57,57.245 96.835,57.51 96.835,57.696 97.142,58.003 IC400.13@97.696,58.003
  Bottom Layer w0.6: C416.1@93.075,55.9 94.42,57.245 C421.2@96.45,57.245 96.454,57.249 97.692,57.249 IC400.11@97.696,57.253
NetC419_2: C419.2 IC400.5 | length 1.2
  Bottom Layer w0.3: IC400.5@100.171,58.003 101.102,58.003 C419.2@101.323,58.224
NetC602_1: C602.1 IC600.35 TP601.1 | length 5.5
  Top Layer w0.203: TP601.1@19.6,45.3 C602.1@20.8,45.3 21.072,45.012 21.479,44.605 22.721,44.605 23.116,45 IC600.35@24.6,45
NetC603_1: C603.1 IC600.37 JS600.2 Q600.3 TP600.1 | length 11.7
  Top Layer w0.203: TP600.1@16.7,43.2 17.269,42.631 17.269,41.631 17.5,41.4 17.5,41.8 18.49,42.79 18.795,42.79 19.7,43.695 C603.1@19.7,43.8 19.8,43.7 20.478,43.7 20.625,43.553 20.625,43.35 21.18,42.795 22.378,42.795 22.892,43.309 22.892,43.592 23.255,43.955 24.555,43.955 IC600.37@24.6,44
NetC713_2: C713.2 R708.2 R709.1 | length 2.7
  Top Layer w0.203: R709.1@95.1,46.4 96.4,46.4 96.4,45.6 C713.2@96.8,45.2
NetC801A_2: C801A.2 IC801A.3 IC801A.6 | length 4.8
  Top Layer w0.203: IC801A.6@59.938,10.55 58.55,10.55 C801A.2@58.3,10.8 58.195,10.905 58.195,11.894 58.506,12.205 59.136,12.205 59.142,12.198 59.227,12.198 59.375,12.05 IC801A.3@59.938,12.05
NetC801B_2: C801B.2 IC801B.3 IC801B.6 | length 6
  Top Layer w0.203: IC801B.6@71.162,29.868 69.774,29.868 69.524,30.118 69.386,30.118 68.795,30.708 68.795,31.292 69.208,31.705 69.792,31.705 70.129,31.368 IC801B.3@71.162,31.368
NetC802A_1: C802A.1 IC801A.14 | length 2.4
  Top Layer w0.203: IC801A.14@64.407,12.095 64.41,12.098 65.182,12.098 66.207,13.123 C802A.1@66.207,13.312
NetC802B_1: C802B.1 IC801B.14 | length 3.3
  Top Layer w0.203: IC801B.14@75.632,31.413 76.906,31.413 77.025,31.532 77.025,32.034 77.557,32.566 77.557,32.637 77.879,32.959 C802B.1@77.95,32.959
NetC805A_1: C805A.1 IC801A.15 R806A.1 | length 4.6
  Top Layer w0.203: IC801A.15@64.37,12.558 64.41,12.598 65.108,12.598 65.168,12.658 65.8,13.291 C805A.1@65.8,14.9 ; C805A.1@65.7,14.9 65.8,15 R806A.1@65.8,16.15
NetC805B_1: C805B.1 IC801B.15 R806B.1 | length 4.4
  Top Layer w0.203: IC801B.15@75.586,31.868 75.635,31.916 76.382,31.916 76.612,32.146 76.612,32.196 77.024,32.608 C805B.1@77.024,33.9 ; C805B.1@76.9,33.9 76.962,33.962 R806B.1@76.962,35.188
NetF100_1: F100.1 J7.11 | length 32.1
  Top Layer w0.203: J7.11@8.6,29.8 8.898,30.098 9.948,30.098 11.75,31.9 11.75,32.227 14.867,35.343 14.867,57.792 15.315,58.24 F100.1@15.6,58.24
NetF200A_2: F200A.2 Q200A.2 R200A.1 R201A.1 R203B.1 | length 9.9
  Top Layer w0.203: Q200A.2@19.8,54.35 20.025,54.35 20.655,54.98 20.655,56.88 21.425,57.65 R201A.1@21.575,57.65 ; R200A.1@22.9,57.7 22.85,57.65 R201A.1@21.575,57.65 ; 24.3,59.9 23.605,59.205 F200A.2@22.1,59.205 22.1,58.175 R201A.1@21.575,57.65
  other v1: 24.4,62.4 25.167,62.4 25.933,62.4 26.7,62.4 24.4,63 25.167,63 25.933,63 26.7,63
NetF200B_2: F200B.2 Q200B.2 R200B.1 R201B.1 R203C.1 | length 12.2
  Top Layer w0.203: Q200B.2@26.6,54.35 26.825,54.35 27.455,54.98 27.455,56.88 28.225,57.65 R201B.1@28.375,57.65 ; R200B.1@29.7,57.7 29.65,57.65 R201B.1@28.375,57.65 ; R203C.1@32.3,61.45 31.875,61.45 30.752,60.327 30.752,59.552 30.405,59.205 F200B.2@28.9,59.205 28.9,58.175 R201B.1@28.375,57.65
  other v1: 31.2,62.4 31.967,62.4 32.733,62.4 33.5,62.4 31.2,63 31.967,63 32.733,63 33.5,63
NetF200C_2: F200C.2 Q200C.2 R200C.1 R201C.1 R203D.1 | length 12.2
  Top Layer w0.203: Q200C.2@33.4,54.35 33.625,54.35 34.255,54.98 34.255,56.88 35.025,57.65 R201C.1@35.175,57.65 ; R200C.1@36.5,57.7 36.45,57.65 R201C.1@35.175,57.65 ; R203D.1@39.1,61.45 38.675,61.45 37.552,60.327 37.552,59.552 37.205,59.205 F200C.2@35.7,59.205 35.7,58.175 R201C.1@35.175,57.65
  other v1: 38,62.4 38.767,62.4 39.533,62.4 40.3,62.4 38,63 38.767,63 39.533,63 40.3,63
NetF200D_2: F200D.2 Q200D.2 R200D.1 R201D.1 R203E.1 | length 12.2
  Top Layer w0.203: Q200D.2@40.2,54.35 40.425,54.35 41.055,54.98 41.055,56.88 41.825,57.65 R201D.1@41.975,57.65 ; R200D.1@43.3,57.7 43.25,57.65 R201D.1@41.975,57.65 ; R203E.1@45.9,61.45 45.475,61.45 44.352,60.327 44.352,59.552 44.005,59.205 F200D.2@42.5,59.205 42.5,58.175 R201D.1@41.975,57.65
  other v1: 44.8,62.4 45.567,62.4 46.333,62.4 47.1,62.4 44.8,63 45.567,63 46.333,63 47.1,63
NetF200E_2: F200E.2 Q200E.2 R200E.1 R201E.1 R203F.1 | length 12.2
  Top Layer w0.203: Q200E.2@47,54.35 47.225,54.35 47.855,54.98 47.855,56.88 48.625,57.65 R201E.1@48.775,57.65 ; R200E.1@50.1,57.7 50.05,57.65 R201E.1@48.775,57.65 ; R203F.1@52.7,61.45 52.275,61.45 51.152,60.327 51.152,59.552 50.805,59.205 F200E.2@49.3,59.205 49.3,58.175 R201E.1@48.775,57.65
  other v1: 51.6,62.4 52.367,62.4 53.133,62.4 53.9,62.4 51.6,63 52.367,63 53.133,63 53.9,63
NetF200F_2: F200F.2 Q200F.2 R200F.1 R201F.1 R203G.1 | length 12.2
  Top Layer w0.203: Q200F.2@53.8,54.35 54.025,54.35 54.655,54.98 54.655,56.88 55.425,57.65 R201F.1@55.575,57.65 ; R200F.1@56.9,57.7 56.85,57.65 R201F.1@55.575,57.65 ; R203G.1@59.5,61.45 59.075,61.45 57.952,60.327 57.952,59.552 57.605,59.205 F200F.2@56.1,59.205 56.1,58.175 R201F.1@55.575,57.65
  other v1: 58.4,62.4 59.167,62.4 59.933,62.4 60.7,62.4 58.4,63 59.167,63 59.933,63 60.7,63
NetF200G_2: F200G.2 Q200G.2 R200G.1 R201G.1 R203H.1 | length 12.2
  Top Layer w0.203: Q200G.2@60.6,54.35 60.825,54.35 61.455,54.98 61.455,56.88 62.225,57.65 R201G.1@62.375,57.65 ; R200G.1@63.7,57.7 63.65,57.65 R201G.1@62.375,57.65 ; R203H.1@66.3,61.45 65.875,61.45 64.752,60.327 64.752,59.552 64.405,59.205 F200G.2@62.9,59.205 62.9,58.175 R201G.1@62.375,57.65
  other v1: 65.2,62.4 65.967,62.4 66.733,62.4 67.5,62.4 65.2,63 65.967,63 66.733,63 67.5,63
NetF200H_2: F200H.2 Q200H.2 R200H.1 R201H.1 R203I.1 | length 12.2
  Top Layer w0.203: Q200H.2@67.4,54.35 67.625,54.35 68.255,54.98 68.255,56.88 69.025,57.65 R201H.1@69.175,57.65 ; R200H.1@70.5,57.7 70.45,57.65 R201H.1@69.175,57.65 ; R203I.1@73.1,61.45 72.675,61.45 71.552,60.327 71.552,59.552 71.205,59.205 F200H.2@69.7,59.205 69.7,58.175 R201H.1@69.175,57.65
  other v1: 72,62.4 72.767,62.4 73.533,62.4 74.3,62.4 72,63 72.767,63 73.533,63 74.3,63
NetF200I_2: F200I.2 Q200I.2 R200I.1 R201I.1 R203J.1 | length 12.2
  Top Layer w0.203: Q200I.2@74.2,54.35 74.425,54.35 75.055,54.98 75.055,56.88 75.825,57.65 R201I.1@75.975,57.65 ; R200I.1@77.3,57.7 77.25,57.65 R201I.1@75.975,57.65 ; R203J.1@79.9,61.45 79.475,61.45 78.352,60.327 78.352,59.552 78.005,59.205 F200I.2@76.5,59.205 76.5,58.175 R201I.1@75.975,57.65
  other v1: 78.8,62.4 79.567,62.4 80.333,62.4 81.1,62.4 78.8,63 79.567,63 80.333,63 81.1,63
NetF200J_2: F200J.2 Q200J.2 R200J.1 R201J.1 | length 7.4
  Top Layer w0.203: Q200J.2@81,54.35 81.225,54.35 81.855,54.98 81.855,56.88 82.625,57.65 R201J.1@82.775,57.65 ; F200J.2@83.3,59.205 83.3,58.175 R201J.1@82.775,57.65 ; R200J.1@84.1,57.7 84.05,57.65 R201J.1@82.775,57.65
NetIC300_20: IC300.20 IC700.8 TP310.1 | length 32.7
  Top Layer w0.203: TP310.1@41.2,40.7 40.201,39.701 40.201,35.899 41.8,34.3 44.89,34.3 45.592,35.002 46.364,35.002 IC700.8@46.412,35.05
  Bottom Layer w0.203: IC300.20@31.775,49.1 31.825,49.05 33.45,49.05 34.1,49.7 35.416,49.7 35.6,49.884 35.6,50.2 36.372,50.972 40.5,50.972 41.302,50.17 TP310.1@41.302,40.7
NetIC300_23: IC300.23 IC300.25 | length 3.4
  Bottom Layer w0.203: IC300.25@31.775,45.85 31.895,45.97 32.801,45.97 32.98,46.149 32.98,46.851 32.801,47.03 31.895,47.03 IC300.23@31.775,47.15
NetIC300_24: IC300.24 IC300.26 | length 3.4
  Bottom Layer w0.203: IC300.26@31.775,45.2 31.655,45.32 30.749,45.32 30.57,45.499 30.57,46.201 30.749,46.38 31.655,46.38 IC300.24@31.775,46.5
NetIC300_28: IC300.28 IC700.14 | length 27.5
  Top Layer w0.203: v1(37.7,41.3) 37.7,41.233 37.943,40.99 37.943,36.033 37.17,35.26 37.17,31.231 37.656,30.745 44.375,30.745 45.632,32.002 46.364,32.002 IC700.14@46.412,32.05
  Bottom Layer w0.203: IC300.28@31.775,43.9 33.579,43.9 34.109,43.37 34.32,43.37 36.39,41.3 v1(37.7,41.3)
NetIC300_29: IC300.29 IC700.15 | length 26.9
  Top Layer w0.203: v1(37.25,40.6) 37.25,40.533 37.373,40.41 ; 37.373,40.409 37.58,40.203 37.58,36.183 36.807,35.411 36.807,31.08 37.506,30.382 44.525,30.382 45.545,31.402 45.676,31.402 45.776,31.502 46.364,31.502 IC700.15@46.412,31.55
  Bottom Layer w0.203: IC300.29@31.775,43.25 33.654,43.25 33.898,43.006 34.17,43.006 36.516,40.66 36.576,40.6 v1(37.25,40.6)
NetIC301_4: IC301.4 JS300.1 R300.2 | length 2.8
  Bottom Layer w0.203: JS300.1@35.4,47.56 35.392,47.56 35.245,47.413 35.245,46.83 R300.2@34.975,46.56 35.075,46.46 IC301.4@36.55,46.46
NetIC301_5: IC301.5 JS301.1 R301.2 | length 2.8
  Bottom Layer w0.203: R301.2@38.375,47.985 38.4,47.96 JS301.1@39.4,47.96 39.4,46.583 39.277,46.46 IC301.5@39.05,46.46
NetIC301_6: IC301.6 JS302.1 R302.2 | length 5.8
  Bottom Layer w0.203: R302.2@38.375,49.46 38.375,49.385 37.67,48.68 37.67,47.17 37.997,46.843 37.997,46.257 38.324,45.93 38.93,45.93 IC301.6@39.05,45.81 ; R302.2@38.524,49.579 39.381,49.579 JS302.1@39.4,49.56
NetIC400_1: IC400.1 R400.1 | length 1.1
  Bottom Layer w0.2: R400.1@98.433,59.758 98.6,59.925 R400.1@98.713,59.925
  Bottom Layer w0.3: IC400.1@98.433,58.991 R400.1@98.433,59.758
NetIC400_8: IC400.8 L401.1 | length 0.1
  Bottom Layer w0.4: v1(99.575,56.4) 99.575,56.508 IC400.8@99.583,56.516
NetIC400_10: IC400.10 L401.2 | length 0.1
  Bottom Layer w0.4: v1(98.275,56.425) 98.275,56.508 IC400.10@98.283,56.516
NetIC401_4: IC401.4 R402.1 R405.2 | length 5.6
  Top Layer w0.203: R405.2@88.346,65.852 R402.1@89.642,65.852 89.642,65.777 90.38,65.039 90.38,63.674 90.201,63.495 89.84,63.495 89.495,63.151 89.495,62.557 IC401.4@89.405,62.467
NetIC401_14: IC401.14 TP405.1 | length 1.5
  Top Layer w0.203: IC401.14@89.95,57.888 89.995,57.843 89.995,56.867 90.277,56.586 TP405.1@90.277,56.502
NetIC401_16: IC401.16 R403.1 | length 1.4
  Top Layer w0.203: IC401.16@90.95,57.888 92.088,57.888 R403.1@92.3,58.1